# Altium PCB SmartHaloV1_ASCII.PcbDoc (part 2 of 4)
Units mil, origin at the board's own origin, x right, y up, seen from the top; angles counter-clockwise.
Board outline 3022.28 x 2564.81 mil, 4 copper layers (Top Layer, Ground Plane, Power Plane, Bottom Layer), stack 59.692 mil thick; 370 components, 182 nets, 935 pads, 581 vias.
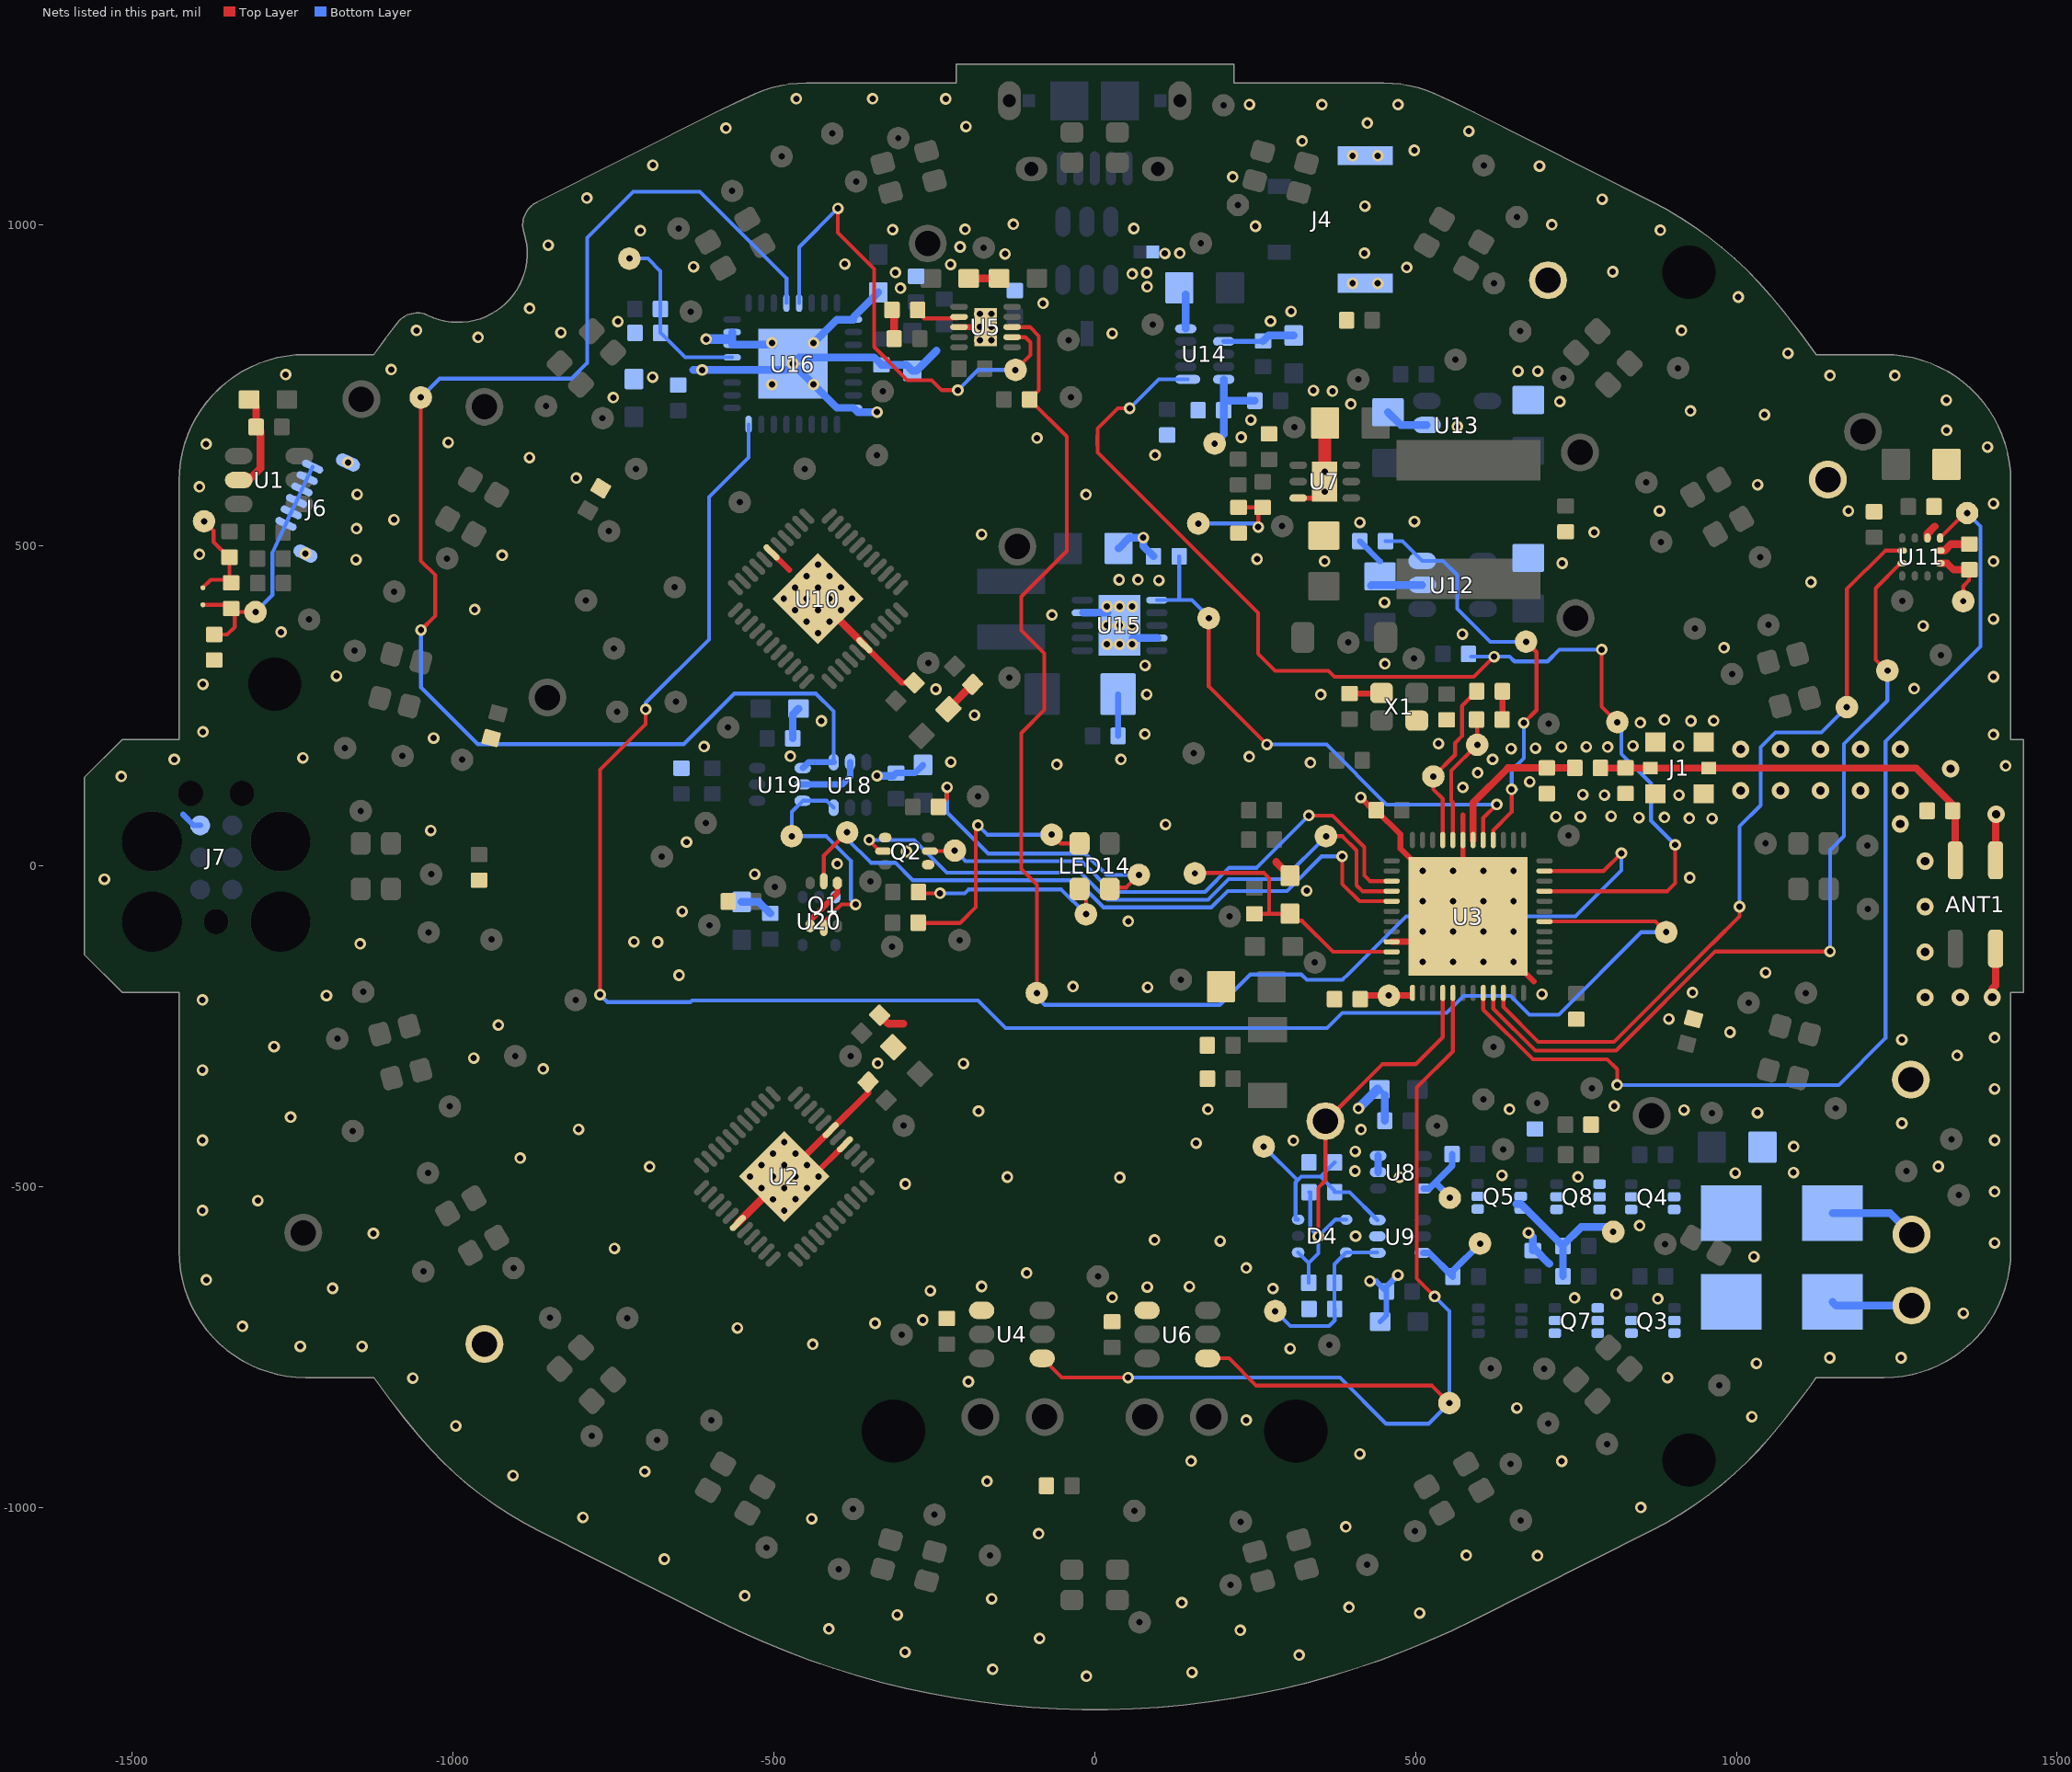
[diagram p3: the nets of this part, all layers, seen from the top]

## Components (designator, comment, footprint, x,y, rotation, side; value= is the part's Value field where it differs from the comment) (continued)
TP128 "TP128" TESTPAD-TH-35mils 600.6,-588.2 r180 bottom locked
TP129 "TP129" TESTPAD-TH-35mils 365.6,-746.3 r180 bottom
TP130 "TP130" TESTPAD-TH-35mils 553.5,-516.9 r180 bottom locked
TP131 "TP131" TESTPAD-TH-35mils 617,-782.3 r180 bottom locked
TP132 "TP132" TESTPAD-TH-35mils 689.9,-368.9 r180 bottom
TP133 "TP133" TESTPAD-TH-35mils 700.6,-783.3 r180 bottom locked
TP134 "TP134" TESTPAD-TH-35mils 889.1,-589 r180 bottom
TP135 "TP135" TESTPAD-TH-35mils 774.7,-346.1 r180 bottom locked
TP136 "TP136" TESTPAD-TH-35mils 636.7,-441.2 r180 bottom
TP137 "TP137" TESTPAD-TH-35mils 605.8,-363.4 r180 bottom
TP138 "TP138" TESTPAD-TH-35mils 808.2,-569.8 r180 bottom
TP139 "TP139" TESTPAD-TH-1_5mm 1273.1,-574.2 r180 bottom locked
TP140 "TP140" TESTPAD-TH-1_5mm 1273.1,-684.9 r180 bottom locked
TP141 "TP141" TESTPAD-TH-35mils -1387.8,537.5 r180 bottom locked
TP142 "TP142" TESTPAD-TH-35mils -749.1,339.2 r180 bottom locked
TP143 "TP143" TESTPAD-TH-35mils -744.1,240.7 r180 bottom locked
TP144 "TP144" TESTPAD-TH-35mils -652.8,256.1 r180 bottom locked
TP145 "TP145" TESTPAD-TH-35mils -808.8,-208.8 r180 bottom locked
TP146 "TP146" TESTPAD-TH-35mils -902.9,-295.9 r180 bottom locked
TP147 "TP147" TESTPAD-TH-35mils 890.7,-102.9 r180 bottom locked
TP148 "TP148" TESTPAD-TH-35mils -123.4,773.4 r180 bottom locked
TP149 "TP149" TESTPAD-TH-35mils -330.1,740.1 r180 bottom locked
TP150 "TP150" TESTPAD-TH-35mils -90.1,-197.8 r180 bottom locked
TP151 "TP151" TESTPAD-TH-35mils -725,947 r180 bottom locked
TP152 "TP152" TESTPAD-TH-35mils -172.8,963.8 r180 bottom locked
TP153 "TP153" TESTPAD-TH-35mils -606,67.3 r180 bottom locked
TP154 "TP154" TESTPAD-TH-35mils -674.4,14.9 r180 bottom locked
TP155 "TP155" TESTPAD-TH-35mils -498.2,-32.1 r180 bottom locked
TP156 "TP156" TESTPAD-TH-35mils -259.3,316.7 r180 bottom locked
TP157 "TP157" TESTPAD-TH-35mils -380.4,-296.1 r180 bottom locked
TP158 "TP158" TESTPAD-TH-35mils 156.2,-11.2 r180 bottom locked
TP159 "TP159" TESTPAD-TH-35mils 210.4,-78.4 r180 bottom locked
TP160 "TP160" TESTPAD-TH-35mils 177.8,386.5 r180 bottom locked
TP161 "TP161" TESTPAD-TH-35mils 707.4,221.9 r180 bottom locked
TP162 "TP162" TESTPAD-TH-35mils 672.3,349.8 r180 bottom locked
TP163 "TP163" TESTPAD-TH-35mils 814.5,224.4 r180 bottom locked
TP164 "TP164" TESTPAD-TH-35mils 527.8,139.8 r180 bottom locked
TP165 "TP165" TESTPAD-TH-35mils 596.2,189.1 r180 bottom locked
TP166 "TP166" TESTPAD-TH-35mils 161.5,534 r180 bottom locked
TP167 "TP167" TESTPAD-TH-35mils 458.4,-201.8 r180 bottom locked
TP168 "TP168" TESTPAD-TH-35mils 343,-150.2 r180 bottom locked
TP169 "TP169" TESTPAD-TH-35mils 187,658.6 r180 bottom locked
TP170 "TP170" TESTPAD-TH-35mils 292.2,529.9 r180 bottom locked
TP171 "TP171" TESTPAD-TH-35mils 154.2,175.9 r180 bottom locked
TP172 "TP172" TESTPAD-TH-35mils 497.3,323.6 r180 bottom locked
TP173 "TP173" TESTPAD-TH-35mils 223.2,1030.4 r180 bottom
TP174 "TP174" TESTPAD-TH-35mils -132.8,293.7 r180 bottom locked
TP175 "TP175" TESTPAD-TH-35mils 562.3,789.4 r180 bottom locked
TP176 "TP176" TESTPAD-TH-35mils 200.7,1185.8 r180 bottom locked
TP177 "TP177" TESTPAD-TH-35mils 165.5,970.7 r180 bottom locked
TP178 "TP178" TESTPAD-TH-35mils 621.9,-281.4 r180 bottom locked
TP179 "TP179" TESTPAD-TH-35mils 311,684.1 r180 bottom locked
U1 "AT42QT1010" 6ST1_N -1286.53,601.75 r0 top locked
U2 "IS31FL3236-QFLS2-TR" QFN-44 -483.7,-483.7 r315 top locked
U3 "nRF52832-QFAA" QFN40P600X600X90-48N 581.9,-78.4 r90 top
U4 "IS31LT3171" SOT23-6 -128.94,-729.65 r90 top
U5 "BQ24040DSQR" DSQ10-1500X900TP -170,840.2 r270 top
U6 "IS31LT3171" SOT23-6 128.94,-729.65 r90 top
U7 "TPS61170DRVR" DRV6-1600X1000TP 358.6,599.3 r0 top
U8 "74LVC2GU04DCKRG4" SOT363_SC70_6 477.31,-476.87 r90 bottom
U9 "NL27WZ14DFT2G" SOT363_SC70_6 476.15,-577.02 r90 bottom
U10 "IS31FL3236-QFLS2-TR" QFN-44 -431.1,416.7 r225 top
U11 "LSM303AGR" LGA12-2X2X1_N 1287.98,481.9 r90 top locked
U12 "TLV70028DDCR" SOT23-5_N 557.8,438.32 r0 bottom
U13 "TLV70028DDCR" SOT23-5_N 564.9,687.62 r0 bottom
U14 "STC3115AIQT" DFN10 171.57,798.13 r90 bottom
U15 "TPS61202DRCR" DRC10-2400X1650TP 38.9,375.2 r0 bottom
U16 "CY7C65213-32LTXI" QFN-32-TP -470.4,783.1 r0 bottom
U17 "USBLC6-2SC6" ST-SOT23-6 -12.1,959.1 r0 bottom
U18 "74LVC2GU04DCKRG4" SOT363_SC70_6 -381.13,126.7 r0 bottom
U19 "74LVC2GU04DCKRG4" SOT363_SC70_6 -490.4,127.4 r270 bottom
U20 "MC74VHC1G00DFT1G" SC70-5 -429.47,-85.5 r0 bottom
X1 "CX2016DB32000D0WPRC1" CRYSTAL_2016_4PINS 474.5,248.4 r0 top
X2 "ST3215SB32768E0HPWB1" CRYSTAL_3215_2PINS 269.24,-305.95 r270 top

## Footprints (in the part's own frame and the unit in brackets; to place one, negate y for a bottom-side part, rotate by r counter-clockwise, add the part's x,y. Pads: shape width x height; smd on the part's side, far side on the other; paste and mask are expansions set on the pad)
6ST1_N [mm] "SOT23, 6-Leads, Body 2.9x1.6mm, Pitch 0.95mm, Lead Span 2.8mm, IPC Medium Density"
  oval 1.1x0.65 smd mask+0: 1(-1.2,0.95) 2(-1.2,0) 3(-1.2,-0.95) 4(1.2,-0.95) 5(1.2,0) 6(1.2,0.95)
  silkscreen extent -1.32,1.7 -1.07,1.95
2450AT42E010B [mm] "2.4 GHz Low Profile Mini Chip Antenna, Above Metal, 4 pads, 1.5 x 0.6 mm pads, 3.5 x 1.6 mm pitch, 6.26 x 3 mm metal clearance"
  rrect50% 1.5x0.6 smd: 1(1.75,0.8) 2(-1.75,0.8) 3(-1.75,-0.8) 4(1.75,-0.8)
  silkscreen extent 2.83,1.22 3.07,1.47
10118194-0001LF [mm] "Micro USB B Type Receptacle, 5 pins, 0.4 x 1.35 mm pads"
  rrect100% 0.9x1.55 hole 0.5 slot 1.15 at 90 deg: 0(-3.375,-2.675) 0(3.375,-2.675)
  rect 0.5x0.5 smd paste-0.1 mask+0: 0(-2.6,-2.675) 0(2.6,-2.675)
  rrect100% 1.25x0.95 hole 0.55 slot 0.85 at 0 deg: 0(-2.5,0.025) 0(2.5,0.025)
  rect 1.5x1.55 smd: 0(-1,-2.675) 0(1,-2.675)
  oval 0.4x1.35 smd mask+0: 1(-1.3,0) 2(-0.65,0) 3(0,0) 4(0.65,0) 5(1.3,0)
59453061110ECHLF [mm] "Connector, 6 contacts, 0.3 x 0.9 mm pads, 0.52 x 1.0 mm mechanical pads, 0.5 mm pitch"
  oval 0.52x1 smd: 0(-1.99,-1.2) 0(1.99,-1.2)
  oval 0.3x0.9 smd mask+0: 1(-1.25,0) 2(-0.75,0) 3(-0.25,0) 4(0.25,0) 5(0.75,0) 6(1.25,0)
  silkscreen extent -2.25,-3.35 2.25,-0.15
709296001002006 [mm] "Connector Wire to Board, 2.0 x 2.0 mm, 2 pads, 2.4 x 2.2 mm, 4 mm pitch"
  rect 2.4x2.2 smd: 1(-2,0) 1(2,0)
  silkscreen extent -0.6,-1.4 0.51,1.4
BM02(3)B-ADHSS-GAN-ETB [mm] "ADH Connector, 2 pins, 0.9 x 0.6 mm pads, 2 mecanical pads 2.2 x 0.75 mm"
  rect 2.2x0.75 smd: 0(-3.4,-2.525) 0(-3.4,2.525)
  rect 0.9x0.6 smd: 1(0,1.3) 2(0,-1.3)
  silkscreen extent 0.52,2.53 0.77,2.77
COAXIAL-SWF [mm]
  rect 0.5x0.58 smd: 1(0,1.16) 3(0,-1.16)
  rect 0.75x0.8 smd: 2(-1.025,0.95) 2(-1.025,-0.95) 2(1.025,-0.95) 2(1.025,0.95)
  silkscreen extent -1.25,-1.25 1.25,1.25
CRYSTAL_2016_4PINS [mm] "CRYSTAL 2.0 x 1.6 mm, 4 Pads, 1.4 mm Horizontal Pitch, 1.1 mm Vertical Pitch"
  rrect50% 0.9x0.8 smd: 1(-0.7,-0.55) 2(0.7,-0.55) 3(0.7,0.55) 4(-0.7,0.55)
  silkscreen extent -1.47,-1.27 -1.42,-1.22
CRYSTAL_3215_2PINS [mm] "CRYSTAL 3.2 x 1.5 x 0.8 mm, 2 Pads 1.0 x 1.55 mm, 2.6 mm pitch"
  rect 1x1.55 smd: 1(-1.3,0) 2(1.3,0)
  silkscreen extent -1.53,-1.2 -1.47,-1.15
DFN10 [mm] "DFN10, 10 pins, 2 x 3 x 0.55 mm body, 0.35 x 0.85 mm pads, 0.5 mm x 1.5 mm pitch."
  oval 0.35x1 smd: 1(-1,-0.675)
  oval 0.35x0.85 smd: 2(-0.5,-0.75) 3(0,-0.75) 4(0.5,-0.75) 5(1,-0.75) 6(1,0.75) 7(0.5,0.75) 8(0,0.75) 9(-0.5,0.75) 10(-1,0.75)
  silkscreen extent -1.6,-1.55 -1.5,-1.45
DRC10-2400X1650TP [mm] "SON, 10-Leads, Body 3x3mm, Pitch 0.5mm, Thermal Pad 2.4x1.65mm, TI Recommended"
  oval 0.85x0.28 smd paste-0.025 mask+0: 1(-1.475,1) 2(-1.475,0.5) 3(-1.475,0) 4(-1.475,-0.5) 5(-1.475,-1) 6(1.475,-1) 7(1.475,-0.5) 8(1.475,0) 9(1.475,0.5) 10(1.475,1)
  rect 1.65x2.4 smd paste-0.825 mask+0: 11(0,0)
  Top Layer region: -0.389,-1.198 -0.109,-1.198 -0.109,-1.898 -0.389,-1.898
  Top Layer region: 0.389,-1.898 0.109,-1.898 0.109,-1.198 0.389,-1.198
  Top Layer region: 0.389,1.198 0.109,1.198 0.109,1.898 0.389,1.898
  Top Layer region: -0.389,1.898 -0.109,1.898 -0.109,1.198 -0.389,1.198
  silkscreen extent -2.15,-1.7 1.7,1.7
DRV6-1600X1000TP [mm] "SON, 6-Leads, Body 2x2mm, Pitch 0.65mm, Thermal Pad 1.6x1mm, TI Recommended"
  oval 0.7x0.3 smd paste-0.025 mask+0: 1(-1.05,0.65) 2(-1.05,0) 3(-1.05,-0.65) 4(1.05,-0.65) 5(1.05,0) 6(1.05,0.65)
  rect 1x1.6 smd paste-0.5 mask+0: 7(0,0)
  silkscreen extent -1.5,-1.2 1.05,1.25
DSQ10-1500X900TP [mm] "WSON-10, 10 pins, 0.23 x 0.7 mm pads, 0.4 x 2.1 mm pitch, Thermal pad 0.9 x 1.5 mm"
  oval 0.23x0.7 smd mask+0: 1(-0.8,-1.05) 2(-0.4,-1.05) 3(0,-1.05) 4(0.4,-1.05) 5(0.8,-1.05) 6(0.8,1.05) 7(0.4,1.05) 8(0,1.05) 9(-0.4,1.05) 10(-0.8,1.05)
  rect 1.5x0.9 smd mask+0: 11(0,0)
  silkscreen extent -1.25,-1.32 1.05,1.05
FRONTLED_PADS [mm] "Front Led pads"
  round 1.5 hole 1: 1(-1.27,0) 2(1.27,0)
  silkscreen extent -0.34,-0.64 0.3,0.64
JLINK_6PIN_NEEDLE_ADAPTER [mil] "JLINK 6 PIN NEEDLE ADAPTER FOOTPRINT: Only for development (DNP)"
  round 93.5 hole 93.5 unplated paste-93.5: 0(-100,-100) 0(-100,100) 0(25,-100) 0(25,100)
  round 39 hole 39 unplated paste-39: 0(-100,0) 0(100,-40) 0(100,40)
  round 31 smd paste-31: 1(-50,-25) 2(-50,25) 3(0,-25) 4(0,25) 5(50,-25) 6(50,25)
LGA12-2X2X1_N [mm] "PQFN, 12-Leads, Body 2x2mm, Pitch 0.5mm, IPC Medium Density"
  oval 0.375x0.25 smd mask+0: 1(-0.75,0.75) 2(-0.75,0.25) 3(-0.75,-0.25) 4(-0.75,-0.75) 7(0.75,-0.75) 8(0.75,-0.25) 9(0.75,0.25) 10(0.75,0.75)
  oval 0.25x0.375 smd mask+0: 5(-0.25,-0.75) 6(0.25,-0.75) 11(0.25,0.75) 12(-0.25,0.75)
  silkscreen extent -1.14,1.65 -0.89,1.9
LTSN-N213EGBW [mm] "SMD LED LiteOn LTSN-N213EGBW, 2.1 x 2.1 mm, 1.2 x 1.8mm pitch"
  rrect50% 0.8x0.9 smd: 1(-0.6,-0.9) 2(0.6,-0.9) 3(0.6,0.9) 4(-0.6,0.9)
  silkscreen extent -1.97,-1.24 -1.36,-0.64
NetTiePWR [mil] "NetTie for Power Nets"
  rect 20x20 smd paste-10 mask+0: 1(10,10) 2(30,10)
ONSC-SOD-123-2-425-04_V [mil] "Schottky Power Rectifier, 2-Pin SOD-123, Pb-Free, Tape and Reel"
  rrect50% 36x48 smd: 1(-64.5,0) 2(64.5,0)
  silkscreen extent -28,-25 -3,25
QFN40P600X600X90-48N [mm]
  oval 0.65x0.2 smd: 1(-3.025,2.2) 2(-3.025,1.8) 3(-3.025,1.4) 4(-3.025,1) 5(-3.025,0.6) 6(-3.025,0.2) 7(-3.025,-0.2) 8(-3.025,-0.6) 9(-3.025,-1) 10(-3.025,-1.4) 11(-3.025,-1.8) 12(-3.025,-2.2) 25(3.025,-2.2) 26(3.025,-1.8) 27(3.025,-1.4) 28(3.025,-1) 29(3.025,-0.6) 30(3.025,-0.2) 31(3.025,0.2) 32(3.025,0.6) 33(3.025,1) 34(3.025,1.4) 35(3.025,1.8) 36(3.025,2.2)
  oval 0.2x0.65 smd: 13(-2.2,-3.025) 14(-1.8,-3.025) 15(-1.4,-3.025) 16(-1,-3.025) 17(-0.6,-3.025) 18(-0.2,-3.025) 19(0.2,-3.025) 20(0.6,-3.025) 21(1,-3.025) 22(1.4,-3.025) 23(1.8,-3.025) 24(2.2,-3.025) 37(2.2,3.025) 38(1.8,3.025) 39(1.4,3.025) 40(1,3.025) 41(0.6,3.025) 42(0.2,3.025) 43(-0.2,3.025) 44(-0.6,3.025) 45(-1,3.025) 46(-1.4,3.025) 47(-1.8,3.025) 48(-2.2,3.025)
  rect 4.7x4.7 smd: 49(0,0)
  silkscreen extent -4.02,2.07 -3.78,2.32
QFN-32-TP [mm] "QFN-32, 5.0 x 5.0 x 1.0 mm body, 0.25 x 0.7 mm pads, 2.75 x 2.75 thermal pad"
  oval 0.7x0.25 smd mask+0: 1(-2.4,1.75) 2(-2.4,1.25) 3(-2.4,0.75) 4(-2.4,0.25) 5(-2.4,-0.25) 6(-2.4,-0.75) 7(-2.4,-1.25) 8(-2.4,-1.75) 17(2.4,-1.75) 18(2.4,-1.25) 19(2.4,-0.75) 20(2.4,-0.25) 21(2.4,0.25) 22(2.4,0.75) 23(2.4,1.25) 24(2.4,1.75)
  oval 0.25x0.7 smd mask+0: 9(-1.75,-2.4) 10(-1.25,-2.4) 11(-0.75,-2.4) 12(-0.25,-2.4) 13(0.25,-2.4) 14(0.75,-2.4) 15(1.25,-2.4) 16(1.75,-2.4) 25(1.75,2.4) 26(1.25,2.4) 27(0.75,2.4) 28(0.25,2.4) 29(-0.25,2.4) 30(-0.75,2.4) 31(-1.25,2.4) 32(-1.75,2.4)
  rect 2.75x2.75 smd mask+0: 33(0,0)
  silkscreen extent -3.17,2.58 -2.93,2.82
QFN-44 [mm] "QFN-44, 5 x 5 x 0.8 mm body, 0.25 x 0.8 mm pads, 0.4 pin pitch, 2.55 x 2.55 mm thermal pad"
  oval 0.75x0.25 smd mask+0: 1(-2.625,2) 11(-2.625,-2) 23(2.625,-2) 33(2.625,2)
  oval 0.8x0.25 smd mask+0: 2(-2.6,1.6) 3(-2.6,1.2) 4(-2.6,0.8) 5(-2.6,0.4) 6(-2.6,0) 7(-2.6,-0.4) 8(-2.6,-0.8) 9(-2.6,-1.2) 10(-2.6,-1.6) 24(2.6,-1.6) 25(2.6,-1.2) 26(2.6,-0.8) 27(2.6,-0.4) 28(2.6,0) 29(2.6,0.4) 30(2.6,0.8) 31(2.6,1.2) 32(2.6,1.6)
  oval 0.25x0.75 smd mask+0: 12(-2,-2.625) 22(2,-2.625) 34(2,2.625) 44(-2,2.625)
  oval 0.25x0.8 smd mask+0: 13(-1.6,-2.6) 14(-1.2,-2.6) 15(-0.8,-2.6) 16(-0.4,-2.6) 17(0,-2.6) 18(0.4,-2.6) 19(0.8,-2.6) 20(1.2,-2.6) 21(1.6,-2.6) 35(1.6,2.6) 36(1.2,2.6) 37(0.8,2.6) 38(0.4,2.6) 39(0,2.6) 40(-0.4,2.6) 41(-0.8,2.6) 42(-1.2,2.6) 43(-1.6,2.6)
  rect 2.55x2.55 smd: 45(0,0)
  silkscreen extent -3.5,2.78 -3.25,3.02
SC70-5 [mm] "SC70-5, 0.4 x 0.5 mm pads, 0.65 x 1.9 mm pitch"
  oval 0.4x0.5 smd mask+0: 1(-0.65,-0.95) 2(0,-0.95) 3(0.65,-0.95) 4(0.65,0.95) 5(-0.65,0.95)
Solderbridge_Shorted [mm]
  round 0.2 smd paste-10: 1(0,0) 2(0.676,0)
  Top Layer lines w0.152: 0.516,-0.431 ccw(c0.406,0) 0.516,0.431 ; 0.159,-0.431 cw(c0.27,0) 0.159,0.431
  Top Layer lines w0.203: 0.676,0 0,0
SOT23-5_N [mm] "SOT23, 5-Leads, Body 2.9x1.6mm, Pitch 0.95mm, Lead Span 2.8mm, IPC Medium Density"
  oval 1.1x0.65 smd: 1(-1.2,0.95) 2(-1.2,0) 3(-1.2,-0.95) 4(1.2,-0.95) 5(1.2,0.95)
  silkscreen extent -1.32,1.7 -1.07,1.95
SOT23-6 [mm] "SOT23-6 pins, 2.92 x 1.6 mm body, 0.7mm x 1mm pads, 0.95 x 2.4 mm pitch"
  oval 0.7x1 smd mask+0: 1(-0.95,-1.2) 2(0,-1.2) 3(0.95,-1.2) 4(0.95,1.2) 5(0,1.2) 6(-0.95,1.2)
  silkscreen extent -1.98,-1.98 -1.73,-1.73
SOT363_SC70_6 [mil] "SOT363-6, SC70, 2 x 1.25 x 1 mm body, 16 x 26 mils pads, 26 x 71 mils pitch"
  oval 16x26 smd mask+0: 1(-25.5,-35.5) 2(0,-35.5) 3(25.5,-35.5) 4(25.5,35.5) 5(0,35.5) 6(-25.5,35.5)
  silkscreen extent -57,-40 -47,-31
SOT563 [mm] "SOT563, 1.25 x 1.7 mm body, 6 pins, 0.375 x 0.5 mm pads, 0.5 x 1.7 mm pitch"
  rrect50% 0.375x0.5 smd mask+0: 1(-0.5,-0.85) 2(0,-0.85) 3(0.5,-0.85) 4(0.5,0.85) 5(0,0.85) 6(-0.5,0.85)
  silkscreen extent -1.32,-1.01 -1.07,-0.76
SOT666 [mm] "SOT666, 1.3 x 1.7 x 0.6 mm body, 0.375 x 0.5 mm pads, 1.6 x 0.538 mm pitch"
  oval 0.5x0.375 smd mask+0: 1(-0.85,0.538) 3(-0.85,-0.538) 4(0.85,-0.538) 6(0.85,0.538)
  oval 0.65x0.3 smd mask+0: 2(-0.925,0) 5(0.925,0)
  silkscreen extent -1.27,1.1 -1.03,1.35
SRN3015-2R2M [mm] "Inductor, 3.0 x 3.0 x 1.5 mm, 1.0 x 2.7 pads, 2.2 mm pitch"
  rect 1x2.7 smd: 1(-1.1,0) 2(1.1,0)
SRN5020-100M [mm] "Inductor SRN5020-100M, 10 uH, 5.0 x 5.0 mm x 2.0 body, 1.6 x 5.7 mm pad, 4.7 mm pitch"
  rect 1.6x5.7 smd: 1(-2.35,0) 2(2.35,0)
ST-SOT23-6 [mm] "ST SOT23-6 pins, 3.05 x 1.75 mm body, 0.6mm x 1.2mm pads, 0.95 x 2.3 mm pitch"
  oval 0.6x1.2 smd mask+0: 1(-0.95,-1.15) 2(0,-1.15) 3(0.95,-1.15) 4(0.95,1.15) 5(0,1.15) 6(-0.95,1.15)
  silkscreen extent -2.21,-1.8 -1.96,-1.55
TESTPAD-TH-1_5mm [mm] "Through-hole testpad, 1.5mm"
  round 1.5 hole 1: 1(0,0)
  silkscreen extent -1,-1 1,1
TESTPAD-TH-35mils [mil] "Through-hole testpad 35 mils"
  round 35 hole 10: 1(0,0)
Varitron_CAP0402 [mil] "Capacitor 0402(1005), max 1mm height"
  rrect21% 24x26 smd: 1(-20,0) 2(20,0)
VARITRON_CAP0402 [mil] "Capacitor 0402(1005), max 1mm height"
  rrect21% 24x26 smd: 1(-20,0) 2(20,0)
Varitron_CAP0603 [mil] "Capacitor 0603(1608), max 1mm height"
  rrect17% 32x29 smd: 1(-29.5,0) 2(29.5,0)
VARITRON_CAP0603 [mil] "Capacitor 0603(1608), max 1mm height"
  rrect17% 32x29 smd: 1(-29.5,0) 2(29.5,0)
VARITRON_CAP0805 [mil] "Capacitor 0805(2012), max 1mm height"
  rrect11% 44x49 smd: 1(-39.5,0) 2(39.5,0)
Varitron_CAP0805 [mil] "Capacitor 0805(2012), max 1mm height"
  rrect11% 44x49 smd: 1(-39.5,0) 2(39.5,0)
Varitron_CAP1206 [mil] "Capacitor 1206(3216), max 1mm height"
  rrect9% 55x65 smd: 1(-59,0) 2(59,0)
VARITRON_IND0402 [mil] "Inductor 0402(1005), max 1mm height"
  rrect21% 24x26 smd: 1(-20,0) 2(20,0)
VARITRON_IND0603 [mil] "Inductor 0603(1608), max 1mm height"
  rrect17% 32x29 smd: 1(-29.5,0) 2(29.5,0)
VARITRON_RES0402 [mil] "Resistor 0402(1005), max 1mm height"
  rrect21% 24x26 smd: 1(-20,0) 2(20,0)
Varitron_RES0402 [mil] "Resistor 0402(1005), max 1mm height"
  rrect21% 24x26 smd: 1(-20,0) 2(20,0)
Varitron_RES0805 [mil] "Resistor 0805(2012), max 1mm height"
  rrect11% 44x49 smd: 1(-39.5,0) 2(39.5,0)

## Part data
ANT1: "CHIP ANTENNA, 2.45GHz, 5 x 2 x 1.5 mm body"
C1 C5 C6 C7 C16 C17: library part Varitron_CAP0402, "C nF V TEMP TOL% 0402 (1005 Metric)  SMD"
C2 C15 C18 C29 C36 C40 C50 C57 C66 C68 C70: library part Varitron_CAP0603, "1.0 uF 16V X7R 10% 0603 (1608 Metric)  SMD"
C3 C8 C9 C10 C12 C21 C22 C25 C27 C33 C37 C38 C41 C42 C43 C45 C51 C55 C58 C59 C65 C67 C69: library part Varitron_CAP0402, "100 nF 16V X7R 10% 0402 (1005 Metric)  SMD"
C4: library part Varitron_CAP0402, "10.0 nF 25V X7R 5% 0402 (1005 Metric)  SMD"
C11: library part Varitron_CAP0402, "1.2 pF 50V NP0 ±0.1 pF 0402 (1005 Metric)  SMD"
C13: library part Varitron_CAP0402, "100 pF 50V NP0 5% 0402 (1005 Metric)  SMD"
C14 C19 C31 C32: library part Varitron_CAP0402, "12 pF 50V NP0 2% 0402 (1005 Metric)  SMD"
C20: library part Varitron_CAP0402, "0.8 pF 50V NP0 ±0.05pF 0402 (1005 Metric)  SMD"
C23 C26 C56 C60: library part Varitron_CAP0603, "4.7 uF 10V X5R 10% 0603 (1608 Metric)  SMD"
C24 C30 C34 C71: library part Varitron_CAP0805, "4.7 uF 50V X5R 10% 0805 (2012 Metric)  SMD"
C28: library part Varitron_CAP0402, "680 pF 50V X7R 5% 0402 (1005 Metric)  SMD"
C35 C39: library part Varitron_CAP0402, "1 nF 10V X7R 10% 0402 (1005 Metric)  SMD"
C44 C47 C48 C49 C52 C54: library part Varitron_CAP0805, "10 uF 10V X7R 10% 0805 (2012 Metric)  SMD"
C46 C61 C64: library part Varitron_CAP0402, "220 nF 10V X7R 10% 0402 (1005 Metric)  SMD"
C53: library part Varitron_CAP1206, "47 uF 10V X5R 10% 1206 (3216 Metric)  SMD"
C62 C63: library part Varitron_CAP0402, "220 pF 50V X7R 10% 0402 (1005 Metric)  SMD"
D1 D2: "Cree 5mm Round LED C503D-WAN-CDaEa232-0AH"
D3: "Schottky Power Rectifier, 2-Pin SOD-123, Pb-Free, Tape and Reel"
D4: "High Voltage Switching Diode"
J1: library part Coaxial-Internal-SW, "Coaxial Connector with Switch"
J2 J3: "Connector, Single Horizontal Contact, 2 x 2 mm"
J4: "Connector, 1.3 mm pitch"
J5: "Micro USB B Type Receptacle"
J6: "Connector, FPC, 0.5 mm pitch, 6 contacts"
J7: library part JLINK_6PIN_NEEDLE_ADAPTER, "JLink 6 Pin Needle Adapter for Flasher ARM Programmer"
L1: library part Varitron_IND0402, "3.9 nH ±0.1 nH, 170 mA, 0402 (1005 Metric)  SMD"
L2: library part Varitron_IND0402, "15 nH 5%, 320 mA, 0402 (1005 Metric)  SMD"
L3: library part Varitron_IND0603, "10 uH 20%, 400 mA, 0603 (1608 Metric)  SMD"
L4: library part SRN5020-100M, "Inductor, 10 uH, 20%, 144 mOhm DCR, 1.3A"
L5: library part SRN3015-2R2M, "Inductor, 2.2 uH, 20%, 72 mOhm DCR, 1.65A"
LED1 LED2 LED3 LED4 LED5 LED6 LED7 LED8 LED9 LED10 LED11 LED12 LED13 LED14 LED15 LED16 LED17 LED18 LED19 LED20 LED21 LED22 LED23 LED24 LED25: "LED SMD LTSN-N213EGBW"